# Altium PCB JTAG批量下载板-V1.6-ASCII.PcbDoc (part 10 of 14) (continued)
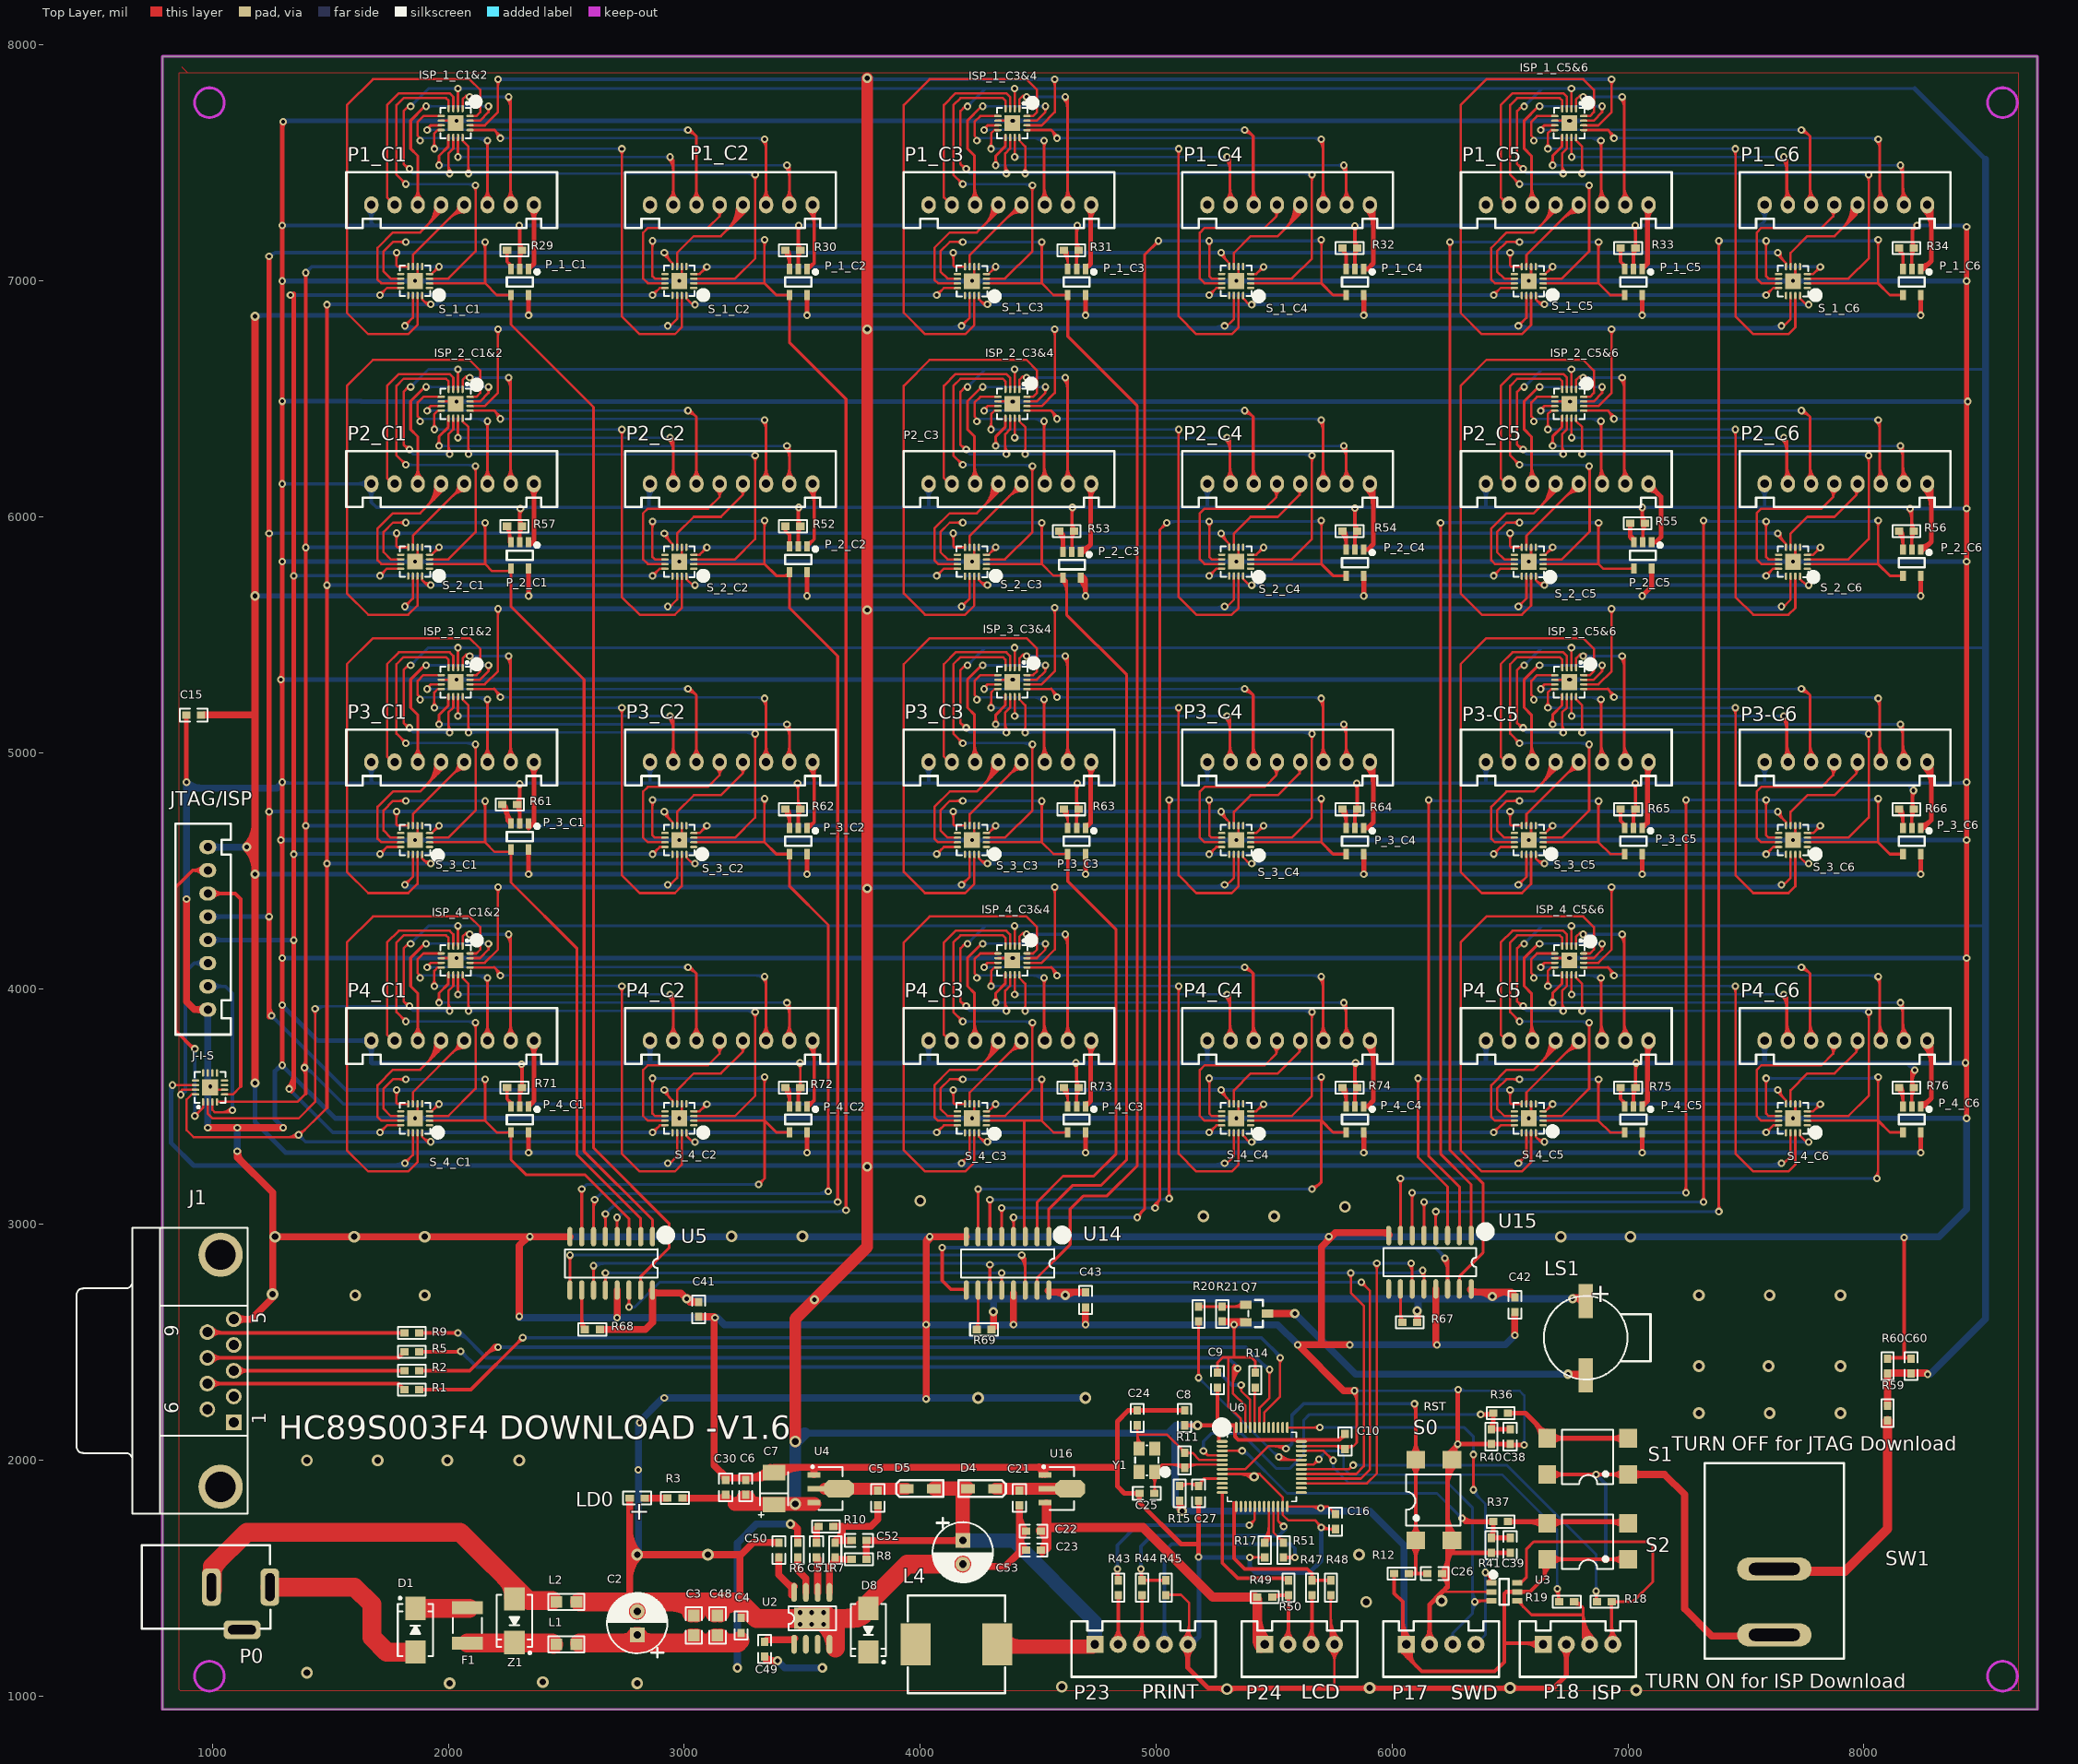
[diagram p0: Top Layer view]
## Nets (pads, with @x,y where several pads share a name; then routed paths per layer and width w, separated by ;. In a path a pad name is that pad's centre, name@x,y a point inside that pad or via, vN(x,y) a via of type N, cw(c..) or ccw(c..) an arc to the next point about the centre after c; other vN are vias at no path point) (continued)
  Bottom Layer w12: v1(5835,1980) 6485,1980 6865,1600 v1(6865,1445) ; v1@5842.07,1972.93 cw(c5859.14,1955.86) 5859.14,1980 ; v1@5842.07,1972.93 cw(c5859.14,1955.86) 5859.14,1980 ; v1@5842.07,1972.93 cw(c5859.14,1955.86) 5859.14,1980 ; v1@5842.07,1972.93 cw(c5859.14,1955.86) 5859.14,1980 ; v1@5842.07,1972.93 cw(c5859.14,1955.86) 5859.14,1980 ; v1@5842.07,1987.07 ccw(c5859.14,2004.14) 5859.14,1980 ; v1@5842.07,1987.07 ccw(c5859.14,2004.14) 5859.14,1980 ; v1@5842.07,1987.07 ccw(c5859.14,2004.14) 5859.14,1980 ; v1@5842.07,1987.07 ccw(c5859.14,2004.14) 5859.14,1980 ; v1@5842.07,1987.07 ccw(c5859.14,2004.14) 5859.14,1980 ; v1@6857.93,1452.07 ccw(c6840.86,1469.14) 6865,1469.14 ; v1@6857.93,1452.07 ccw(c6840.86,1469.14) 6865,1469.14 ; v1@6857.93,1452.07 ccw(c6840.86,1469.14) 6865,1469.14 ; v1@6857.93,1452.07 ccw(c6840.86,1469.14) 6865,1469.14 ; v1@6857.93,1452.07 ccw(c6840.86,1469.14) 6865,1469.14 ; 6865,1469.14 ccw(c6889.14,1469.14) v1@6872.07,1452.07 ; 6865,1469.14 ccw(c6889.14,1469.14) v1@6872.07,1452.07 ; 6865,1469.14 ccw(c6889.14,1469.14) v1@6872.07,1452.07 ; 6865,1469.14 ccw(c6889.14,1469.14) v1@6872.07,1452.07 ; 6865,1469.14 ccw(c6889.14,1469.14) v1@6872.07,1452.07
MCU_TX2: R50.2 U6.12 | length 771.3
  Top Layer w15: U6.12@5280,1860 5280,1565 5345,1500 5551.5,1500 R50.2@5560,1491.5 ; 5524.31,1500 cw(c5524.31,1457.77) R50.2@5554.17,1487.63 ; 5524.31,1500 cw(c5524.31,1457.77) R50.2@5554.17,1487.63 ; 5524.31,1500 cw(c5524.31,1457.77) R50.2@5554.17,1487.63 ; 5524.31,1500 cw(c5524.31,1457.77) R50.2@5554.17,1487.63 ; 5524.31,1500 cw(c5524.31,1457.77) R50.2@5554.17,1487.63
MCU_TX3: R51.2 U6.21 | length 374.7
  Top Layer w10: U6.21@5496.54,1804.41 5496.54,1694.96 R51.2@5540,1651.5 ; 5518.29,1673.2 ccw(c5540,1694.91) R51.2@5540,1664.21 ; 5518.29,1673.2 ccw(c5540,1694.91) R51.2@5540,1664.21 ; 5518.29,1673.2 ccw(c5540,1694.91) R51.2@5540,1664.21 ; 5518.29,1673.2 ccw(c5540,1694.91) R51.2@5540,1664.21 ; 5518.29,1673.2 ccw(c5540,1694.91) R51.2@5540,1664.21 ; 5523.04,1668.45 cw(c5508.06,1653.46) R51.2@5529.25,1653.46 ; 5523.04,1668.45 cw(c5508.06,1653.46) R51.2@5529.25,1653.46 ; 5523.04,1668.45 cw(c5508.06,1653.46) R51.2@5529.25,1653.46 ; 5523.04,1668.45 cw(c5508.06,1653.46) R51.2@5529.25,1653.46 ; 5523.04,1668.45 cw(c5508.06,1653.46) R51.2@5529.25,1653.46
NetC5_1: C5.1 D5.2 U4.2 | length 742.9
  Top Layer w40: U4.2@3587.83,1880 cw(c3587.83,1837.99) U4.2@3617.54,1867.7 ; U4.2@3587.83,1880 ccw(c3587.83,1922.01) U4.2@3617.54,1892.3 ; U4.2@3587.83,1880 cw(c3587.83,1837.99) U4.2@3617.54,1867.7 ; U4.2@3587.83,1880 ccw(c3587.83,1922.01) U4.2@3617.54,1892.3 ; U4.2@3587.83,1880 cw(c3587.83,1837.99) U4.2@3617.54,1867.7 ; U4.2@3587.83,1880 ccw(c3587.83,1922.01) U4.2@3617.54,1892.3 ; U4.2@3693.33,1867.7 cw(c3723.03,1837.99) 3723.03,1880 ; U4.2@3693.33,1867.7 cw(c3723.03,1837.99) 3723.03,1880 ; U4.2@3693.33,1867.7 cw(c3723.03,1837.99) 3723.03,1880 ; U4.2@3693.33,1892.3 ccw(c3723.03,1922.01) 3723.03,1880 ; U4.2@3693.33,1892.3 ccw(c3723.03,1922.01) 3723.03,1880 ; U4.2@3693.33,1892.3 ccw(c3723.03,1922.01) 3723.03,1880
  Top Layer w50: U4.2@3595,1880 D5.2@3941.93,1880
NetC21_1: C21.1 D4.2 U16.2 | length 705.4
  Top Layer w30: 4402.42,1880 cw(c4402.42,1855.88) C21.1@4419.47,1872.94 ; 4402.42,1880 cw(c4402.42,1855.88) C21.1@4419.47,1872.94 ; 4402.42,1880 cw(c4402.42,1855.88) C21.1@4419.47,1872.94 ; C21.1@4420.53,1872.94 cw(c4437.58,1855.88) 4437.58,1880 ; C21.1@4420.53,1872.94 cw(c4437.58,1855.88) 4437.58,1880 ; C21.1@4420.53,1872.94 cw(c4437.58,1855.88) 4437.58,1880 ; U16.2@4555.76,1880 cw(c4555.76,1825.92) U16.2@4594,1864.16 ; U16.2@4555.76,1880 ccw(c4555.76,1934.08) U16.2@4594,1895.84 ; U16.2@4555.76,1880 cw(c4555.76,1825.92) U16.2@4594,1864.16 ; U16.2@4555.76,1880 ccw(c4555.76,1934.08) U16.2@4594,1895.84 ; U16.2@4555.76,1880 cw(c4555.76,1825.92) U16.2@4594,1864.16 ; U16.2@4555.76,1880 ccw(c4555.76,1934.08) U16.2@4594,1895.84
  Top Layer w50: D4.2@4318.07,1880 U16.2@4655,1880
NetC27_1: C27.1 R15.1 U6.9 | length 918.1
  Top Layer w10: R15.1@5100,1900 5180,1900 5202.52,1922.52 ; U6.9@5280,1922.52 5202.52,1922.52 ; R15.1@5100.53,1892.94 cw(c5117.58,1875.88) 5117.58,1900 ; R15.1@5100.53,1892.94 cw(c5117.58,1875.88) 5117.58,1900 ; R15.1@5100.53,1892.94 cw(c5117.58,1875.88) 5117.58,1900 ; R15.1@5100.53,1892.94 cw(c5117.58,1875.88) 5117.58,1900 ; R15.1@5100.53,1892.94 cw(c5117.58,1875.88) 5117.58,1900 ; R15.1@5107.6,1885.86 cw(c5141.73,1851.74) 5141.73,1900 ; R15.1@5107.6,1885.86 cw(c5141.73,1851.74) 5141.73,1900 ; R15.1@5107.6,1885.86 cw(c5141.73,1851.74) 5141.73,1900 ; R15.1@5107.6,1885.86 cw(c5141.73,1851.74) 5141.73,1900 ; R15.1@5107.6,1885.86 cw(c5141.73,1851.74) 5141.73,1900 ; 5138.27,1900 cw(c5138.27,1851.74) C27.1@5172.4,1885.86 ; 5138.27,1900 cw(c5138.27,1851.74) C27.1@5172.4,1885.86 ; 5138.27,1900 cw(c5138.27,1851.74) C27.1@5172.4,1885.86 ; 5138.27,1900 cw(c5138.27,1851.74) C27.1@5172.4,1885.86 ; 5138.27,1900 cw(c5138.27,1851.74) C27.1@5172.4,1885.86 ; 5162.42,1900 cw(c5162.42,1875.88) C27.1@5179.47,1892.94 ; 5162.42,1900 cw(c5162.42,1875.88) C27.1@5179.47,1892.94 ; 5162.42,1900 cw(c5162.42,1875.88) C27.1@5179.47,1892.94 ; 5162.42,1900 cw(c5162.42,1875.88) C27.1@5179.47,1892.94 ; 5162.42,1900 cw(c5162.42,1875.88) C27.1@5179.47,1892.94 ; C27.1@5190.75,1893.6 cw(c5230.94,1894.09) 5202.52,1922.52 ; C27.1@5190.75,1893.6 cw(c5230.94,1894.09) 5202.52,1922.52 ; C27.1@5190.75,1893.6 cw(c5230.94,1894.09) 5202.52,1922.52 ; C27.1@5190.75,1893.6 cw(c5230.94,1894.09) 5202.52,1922.52 ; C27.1@5190.75,1893.6 cw(c5230.94,1894.09) 5202.52,1922.52
NetC49_1: C49.1 D8.2 L4.1 U2.3 | length 632.6
  Top Layer w30: C49.1@3340,1168.5 3341.5,1168.5 3360,1150 ; v3(3395,1150) 3360,1150 ; C49.1@3340.53,1167.06 ccw(c3381.73,1208.26) v3@3381.73,1150 ; C49.1@3340.53,1167.06 ccw(c3381.73,1208.26) v3@3381.73,1150 ; C49.1@3340.53,1167.06 ccw(c3381.73,1208.26) v3@3381.73,1150 ; C49.1@3340.53,1167.06 ccw(c3381.73,1208.26) v3@3381.73,1150 ; C49.1@3340.53,1167.06 ccw(c3381.73,1208.26) v3@3381.73,1150 ; C49.1@3340.74,1166.64 ccw(c3360,1169.46) 3360,1150 ; C49.1@3340.74,1166.64 ccw(c3360,1169.46) 3360,1150 ; C49.1@3340.74,1166.64 ccw(c3360,1169.46) 3360,1150 ; C49.1@3340.74,1166.64 ccw(c3360,1169.46) 3360,1150 ; C49.1@3340.74,1166.64 ccw(c3360,1169.46) 3360,1150
  Bottom Layer w30: v3(3395,1150) 3425,1120 v3(3585,1120)
NetC49_2: C49.2 U2.1 | length 292.1
  Top Layer w30: C49.2@3340,1231.5 3348.5,1240 U2.1@3455,1240 ; C49.2@3340.53,1232.94 cw(c3357.58,1215.88) 3357.58,1240 ; C49.2@3340.53,1232.94 cw(c3357.58,1215.88) 3357.58,1240 ; C49.2@3340.53,1232.94 cw(c3357.58,1215.88) 3357.58,1240 ; C49.2@3340.53,1232.94 cw(c3357.58,1215.88) 3357.58,1240 ; C49.2@3340.53,1232.94 cw(c3357.58,1215.88) 3357.58,1240 ; 3452.93,1240 ccw(c3452.93,1260.07) U2.1@3467.12,1245.88 ; 3452.93,1240 ccw(c3452.93,1260.07) U2.1@3467.12,1245.88 ; 3452.93,1240 ccw(c3452.93,1260.07) U2.1@3467.12,1245.88 ; 3452.93,1240 ccw(c3452.93,1260.07) U2.1@3467.12,1245.88 ; 3452.93,1240 ccw(c3452.93,1260.07) U2.1@3467.12,1245.88
NetC50_1: C50.1 U2.8 | length 325
  Top Layer w30: C50.1@3400,1590 3400,1515 3455,1460 U2.8@3455,1430 ; 3439.39,1475.61 ccw(c3465,1501.21) U2.8@3465,1465 ; 3439.39,1475.61 ccw(c3465,1501.21) U2.8@3465,1465 ; 3439.39,1475.61 ccw(c3465,1501.21) U2.8@3465,1465 ; 3439.39,1475.61 ccw(c3465,1501.21) U2.8@3465,1465 ; 3439.39,1475.61 ccw(c3465,1501.21) U2.8@3465,1465
NetC51_1: C51.1 U2.6 | length 150.6
  Top Layer w30: C51.1@3560,1588.5 3565,1583.5 U2.6@3565,1440
NetC51_2: C51.2 R10.2 | length 168.2
  Top Layer w30: C51.2@3560,1650 3560,1711.5 R10.2@3568.5,1720 ; 3560,1702.42 cw(c3584.12,1702.42) R10.2@3567.06,1719.47 ; 3560,1702.42 cw(c3584.12,1702.42) R10.2@3567.06,1719.47 ; 3560,1702.42 cw(c3584.12,1702.42) R10.2@3567.06,1719.47 ; 3560,1702.42 cw(c3584.12,1702.42) R10.2@3567.06,1719.47 ; 3560,1702.42 cw(c3584.12,1702.42) R10.2@3567.06,1719.47
NetD1_1: D1.1 P0.1 | length 812.8
  Top Layer w80: P0.1@1243.31,1462.83 1602.17,1462.83 1675,1390 1675,1250 1737.52,1187.48 D1.1@1860,1187.48
NetD1_2: D1.2 F1.1 | length 227.5
  Top Layer w80: D1.2@1860,1372.52 F1.1@2087.52,1372.52
NetJ1_3: J1.3 R2.1 | length 1075.4
  Top Layer w15: J1.3@1089.92,2380 R2.1@1813.5,2380 ; 1152.13,2380 cw(c1152.13,2442.21) 1108.14,2398.22 ccw(c1152.13,2442.21) 1152.13,2380 ; 1152.13,2380 ccw(c1152.13,2317.79) 1108.14,2361.78 cw(c1152.13,2317.79) 1152.13,2380 ; 1791.62,2380 cw(c1791.62,2360.09) R2.1@1805.7,2374.17 ; 1791.62,2380 ccw(c1791.62,2399.91) R2.1@1805.7,2385.83 ; 1791.62,2380 cw(c1791.62,2360.09) R2.1@1805.7,2374.17 ; 1791.62,2380 ccw(c1791.62,2399.91) R2.1@1805.7,2385.83 ; 1791.62,2380 cw(c1791.62,2360.09) R2.1@1805.7,2374.17 ; 1791.62,2380 ccw(c1791.62,2399.91) R2.1@1805.7,2385.83 ; 1791.62,2380 cw(c1791.62,2360.09) R2.1@1805.7,2374.17 ; 1791.62,2380 ccw(c1791.62,2399.91) R2.1@1805.7,2385.83 ; 1791.62,2380 cw(c1791.62,2360.09) R2.1@1805.7,2374.17 ; 1791.62,2380 ccw(c1791.62,2399.91) R2.1@1805.7,2385.83
NetJ1_7: J1.7 R1.1 | length 1100.1
  Top Layer w15: J1.7@978.11,2325.47 1788.03,2325.47 R1.1@1813.5,2300 ; J1.7@996.33,2307.25 cw(c1040.32,2263.26) 1040.32,2325.47 cw(c1040.32,2387.68) J1.7@996.33,2343.69 ; 1796.06,2317.44 cw(c1778.62,2300) R1.1@1803.29,2300 ; 1796.06,2317.44 cw(c1778.62,2300) R1.1@1803.29,2300 ; 1796.06,2317.44 cw(c1778.62,2300) R1.1@1803.29,2300 ; 1796.06,2317.44 cw(c1778.62,2300) R1.1@1803.29,2300 ; 1796.06,2317.44 cw(c1778.62,2300) R1.1@1803.29,2300 ; R1.1@1800.82,2312.69 ccw(c1811.54,2323.41) R1.1@1811.54,2308.25 ; R1.1@1800.82,2312.69 ccw(c1811.54,2323.41) R1.1@1811.54,2308.25 ; R1.1@1800.82,2312.69 ccw(c1811.54,2323.41) R1.1@1811.54,2308.25 ; R1.1@1800.82,2312.69 ccw(c1811.54,2323.41) R1.1@1811.54,2308.25 ; R1.1@1800.82,2312.69 ccw(c1811.54,2323.41) R1.1@1811.54,2308.25
NetJ1_8: J1.8 R5.1 | length 1100.1
  Top Layer w15: J1.8@978.11,2434.53 1788.03,2434.53 R5.1@1813.5,2460 ; J1.8@996.33,2416.31 cw(c1040.32,2372.32) 1040.32,2434.53 cw(c1040.32,2496.74) J1.8@996.33,2452.75 ; 1796.06,2442.56 ccw(c1778.62,2460) R5.1@1803.29,2460 ; 1796.06,2442.56 ccw(c1778.62,2460) R5.1@1803.29,2460 ; 1796.06,2442.56 ccw(c1778.62,2460) R5.1@1803.29,2460 ; 1796.06,2442.56 ccw(c1778.62,2460) R5.1@1803.29,2460 ; 1796.06,2442.56 ccw(c1778.62,2460) R5.1@1803.29,2460 ; R5.1@1800.82,2447.31 cw(c1811.54,2436.59) R5.1@1811.54,2451.75 ; R5.1@1800.82,2447.31 cw(c1811.54,2436.59) R5.1@1811.54,2451.75 ; R5.1@1800.82,2447.31 cw(c1811.54,2436.59) R5.1@1811.54,2451.75 ; R5.1@1800.82,2447.31 cw(c1811.54,2436.59) R5.1@1811.54,2451.75 ; R5.1@1800.82,2447.31 cw(c1811.54,2436.59) R5.1@1811.54,2451.75
NetJ1_9: J1.9 R9.1 | length 1127.6
  Top Layer w15: J1.9@970,2540 R9.1@1813.5,2540 ; J1.9@985.72,2551.2 ccw(c1012.75,2578.23) 1012.75,2540 ; J1.9@996.33,2525.36 cw(c1031.67,2490.02) 1031.67,2540 ; J1.9@996.33,2561.8 ccw(c1048.97,2614.44) 1048.97,2540 ; 1791.62,2540 cw(c1791.62,2520.09) R9.1@1805.7,2534.17 ; 1791.62,2540 ccw(c1791.62,2559.91) R9.1@1805.7,2545.83 ; 1791.62,2540 cw(c1791.62,2520.09) R9.1@1805.7,2534.17 ; 1791.62,2540 ccw(c1791.62,2559.91) R9.1@1805.7,2545.83 ; 1791.62,2540 cw(c1791.62,2520.09) R9.1@1805.7,2534.17 ; 1791.62,2540 ccw(c1791.62,2559.91) R9.1@1805.7,2545.83 ; 1791.62,2540 cw(c1791.62,2520.09) R9.1@1805.7,2534.17 ; 1791.62,2540 ccw(c1791.62,2559.91) R9.1@1805.7,2545.83 ; 1791.62,2540 cw(c1791.62,2520.09) R9.1@1805.7,2534.17 ; 1791.62,2540 ccw(c1791.62,2559.91) R9.1@1805.7,2545.83
NetLD0_1: LD0.1 R3.2 | length 97
  Top Layer w30: LD0.1@2831.5,1840 R3.2@2928.5,1840
NetLS1_2: LS1.2 Q7.3 | length 1668.5
  Top Layer w30: Q7.3@5472.43,2622.6 v3(5587.4,2622.6) ; v3(6745,2365) LS1.2@6825,2365 ; 6771.72,2365 cw(c6771.72,2311.72) LS1.2@6809.39,2349.39 ; 6771.72,2365 cw(c6771.72,2311.72) LS1.2@6809.39,2349.39 ; 6771.72,2365 cw(c6771.72,2311.72) LS1.2@6809.39,2349.39 ; 6771.72,2365 cw(c6771.72,2311.72) LS1.2@6809.39,2349.39 ; 6771.72,2365 cw(c6771.72,2311.72) LS1.2@6809.39,2349.39
  Bottom Layer w30: v3(5587.4,2622.6) 5845,2365 v3(6745,2365)
NetP23_2: P23.2 R43.1 | length 1055
  Top Layer w15: P23.2@4838.43,1220 4840,1221.57 R43.1@4840,1428.5 ; P23.2@4818.27,1240.15 ccw(c4765.82,1292.61) 4840,1292.61 ; P23.2@4818.27,1240.15 ccw(c4765.82,1292.61) 4840,1292.61 ; P23.2@4818.27,1240.15 ccw(c4765.82,1292.61) 4840,1292.61 ; P23.2@4818.27,1240.15 ccw(c4765.82,1292.61) 4840,1292.61 ; P23.2@4818.27,1240.15 ccw(c4765.82,1292.61) 4840,1292.61 ; P23.2@4828.88,1229.55 ccw(c4802.03,1256.39) 4840,1256.39 ; P23.2@4828.88,1229.55 ccw(c4802.03,1256.39) 4840,1256.39 ; P23.2@4828.88,1229.55 ccw(c4802.03,1256.39) 4840,1256.39 ; P23.2@4828.88,1229.55 ccw(c4802.03,1256.39) 4840,1256.39 ; P23.2@4828.88,1229.55 ccw(c4802.03,1256.39) 4840,1256.39 ; R43.1@4834.17,1420.7 cw(c4820.09,1406.62) 4840,1406.62 ; R43.1@4834.17,1420.7 cw(c4820.09,1406.62) 4840,1406.62 ; R43.1@4834.17,1420.7 cw(c4820.09,1406.62) 4840,1406.62 ; R43.1@4834.17,1420.7 cw(c4820.09,1406.62) 4840,1406.62 ; R43.1@4834.17,1420.7 cw(c4820.09,1406.62) 4840,1406.62 ; 4840,1285.01 ccw(c4903.43,1285.01) P23.2@4858.58,1240.15 ; 4840,1285.01 ccw(c4903.43,1285.01) P23.2@4858.58,1240.15 ; 4840,1285.01 ccw(c4903.43,1285.01) P23.2@4858.58,1240.15 ; 4840,1285.01 ccw(c4903.43,1285.01) P23.2@4858.58,1240.15 ; 4840,1285.01 ccw(c4903.43,1285.01) P23.2@4858.58,1240.15 ; 4840,1406.62 cw(c4859.91,1406.62) R43.1@4845.83,1420.7 ; 4840,1406.62 cw(c4859.91,1406.62) R43.1@4845.83,1420.7 ; 4840,1406.62 cw(c4859.91,1406.62) R43.1@4845.83,1420.7 ; 4840,1406.62 cw(c4859.91,1406.62) R43.1@4845.83,1420.7 ; 4840,1406.62 cw(c4859.91,1406.62) R43.1@4845.83,1420.7
NetP_1_C1_3: P_1_C1.3 R29.1 | length 184.6
  Top Layer w15: R29.1@2248.5,7130.55 2248.5,7082.05 2265.2,7065.35 P_1_C1.3@2265.2,7050.55 ; 2248.5,7110.64 cw(c2268.42,7110.64) 2254.34,7124.72 ccw(c2268.42,7110.64) 2248.5,7110.64 ; 2248.5,7110.64 ccw(c2228.59,7110.64) 2242.67,7124.72 cw(c2228.59,7110.64) 2248.5,7110.64 ; 2254.33,7076.22 cw(c2238.5,7060.39) 2260.89,7060.39 ccw(c2238.5,7060.39) 2254.33,7076.22
NetP_1_C2_3: P_1_C2.3 R30.1 | length 225.6
  Top Layer w15: R30.1@3424.64,7124.72 cw(c3375.01,7075.09) 3445.2,7075.09 ; R30.1@3428.5,7130.55 3445.2,7113.86 P_1_C2.3@3445.2,7050.55 ; R30.1@3435.25,7135.33 cw(c3411.23,7111.3) 3445.2,7111.3 ; R30.1@3430.47,7122.3 cw(c3430.47,7107.14) 3441.19,7117.86 ccw(c3430.47,7107.14) R30.1@3430.47,7122.3 ; R30.1@3438.69,7129.88 ccw(c3457.69,7128.32) 3444.21,7114.84 cw(c3457.69,7128.32) R30.1@3438.69,7129.88
NetP_1_C3_3: P_1_C3.3 R31.1 | length 318
  Top Layer w10: R31.1@4602.87,7122.95 cw(c4548.98,7069.06) P_1_C3.3@4625.2,7069.06 ; R31.1@4608.5,7130.55 4625.2,7113.86 P_1_C3.3@4625.2,7050.55 ; R31.1@4609.94,7130.02 cw(c4573.12,7093.2) 4625.2,7093.2 ; R31.1@4617.01,7137.09 cw(c4597.26,7117.34) R31.1@4625.2,7117.34 ; R31.1@4624.21,7114.84 cw(c4633.53,7124.16) 4620.83,7127.68 ccw(c4633.53,7124.16) R31.1@4624.21,7114.84 ; R31.1@4624.21,7114.84 ccw(c4612.12,7102.75) 4611.11,7119.82 cw(c4612.12,7102.75) R31.1@4624.21,7114.84 ; 4625.2,7076.84 cw(c4608.75,7076.84) 4620.38,7065.21 ccw(c4608.75,7076.84) 4625.2,7076.84 ; 4625.2,7076.84 ccw(c4641.64,7076.84) 4630.01,7065.21 cw(c4641.64,7076.84) 4625.2,7076.84
NetP_1_C4_3: P_1_C4.3 R32.1 | length 122
  Top Layer w15: R32.1@5788.5,7130.55 5805.2,7113.86 P_1_C4.3@5805.2,7050.55 ; R32.1@5797.53,7135.73 ccw(c5808.82,7128.9) 5799.49,7119.57 cw(c5808.82,7128.9) R32.1@5797.53,7135.73
NetP_1_C5_3: P_1_C5.3 R33.1 | length 184.6
  Top Layer w15: R33.1@6968.5,7130.55 6968.5,7082.05 6985.2,7065.35 P_1_C5.3@6985.2,7050.55 ; 6968.5,7120.09 cw(c6988.42,7120.09) 6974.34,7134.17 ccw(c6988.42,7120.09) 6968.5,7120.09 ; 6968.5,7120.09 ccw(c6948.59,7120.09) 6962.67,7134.17 cw(c6948.59,7120.09) 6968.5,7120.09 ; 6974.33,7076.22 cw(c6958.5,7060.39) 6980.89,7060.39 ccw(c6958.5,7060.39) 6974.33,7076.22
NetP_1_C6_3: P_1_C6.3 R34.1 | length 122
  Top Layer w15: R34.1@8148.5,7130.55 8165.2,7113.86 P_1_C6.3@8165.2,7050.55 ; R34.1@8157.53,7135.73 ccw(c8168.82,7128.9) 8159.49,7119.57 cw(c8168.82,7128.9) R34.1@8157.53,7135.73
NetP_2_C1_3: P_2_C1.3 R57.1 | length 158
  Top Layer w15: R57.1@2244.64,5954.17 cw(c2211.17,5920.7) 2258.5,5920.7 ; P_2_C1.3@2258.5,5891.97 R57.1@2258.5,5960.55 ; 2258.5,5928.38 ccw(c2291.76,5928.38) 2268.25,5904.86 cw(c2291.76,5928.38) 2258.5,5928.38
NetP_2_C2_3: P_2_C2.3 R52.1 | length 172.2
  Top Layer w15: 3428.5,5940.45 cw(c3444.06,5940.45) R52.1@3435.18,5953.23 ; R52.1@3428.5,5960 3428.5,5940.55 ; P_2_C2.3@3445.2,5870 3445.2,5923.86 3428.5,5940.55 ; 3428.5,5940.55 cw(c3447.31,5940.55) 3434.24,5954.07 ccw(c3447.31,5940.55) 3428.5,5940.55 ; 3428.5,5940.55 ccw(c3409.7,5940.55) 3422.77,5954.07 cw(c3409.7,5940.55) 3428.5,5940.55
NetP_2_C3_3: P_2_C3.3 R53.1 | length 223.9
  Top Layer w20: R53.1@4586.41,5935.94 cw(c4541.05,5890.58) 4605.2,5890.58 ; R53.1@4588.5,5940 4605.2,5923.31 P_2_C3.3@4605.2,5851.97 ; R53.1@4589.99,5934.27 cw(c4588.61,5917.74) 4605.2,5917.74 ccw(c4588.61,5917.74) R53.1@4589.99,5934.27 ; R53.1@4596.22,5940 ccw(c4614.85,5940) 4601.68,5926.83 cw(c4614.85,5940) R53.1@4596.22,5940
NetP_2_C4_3: P_2_C4.3 R54.1 | length 227.8
  Top Layer w15: R54.1@5784.64,5934.17 cw(c5735.01,5884.54) 5805.2,5884.54 ; R54.1@5788.5,5940.55 5805.2,5923.86 P_2_C4.3@5805.2,5860.55 ; R54.1@5795.25,5944.77 cw(c5771.23,5920.75) 5805.2,5920.75 ; R54.1@5790.47,5931.75 cw(c5790.47,5915.26) 5802.13,5926.92 ccw(c5790.47,5915.26) R54.1@5790.47,5931.75 ; R54.1@5798.71,5939.58 ccw(c5818.5,5938.58) 5804.49,5924.57 cw(c5818.5,5938.58) R54.1@5798.71,5939.58
NetP_2_C5_3: P_2_C5.3 R55.1 | length 113.9
  Top Layer w20: R55.1@7008.5,5971.97 7008.5,5921.5 ; P_2_C5.3@7025.2,5891.97 7025.2,5904.8 7008.5,5921.5 ; P_2_C5.3@7025.31,5903.62 cw(c7026.41,5921.5) 7008.5,5921.5
NetP_2_C6_3: P_2_C6.3 R56.1 | length 227.8
  Top Layer w15: R56.1@8144.64,5934.17 cw(c8095.01,5884.54) 8165.2,5884.54 ; R56.1@8148.5,5940.55 8165.2,5923.86 P_2_C6.3@8165.2,5860.55 ; R56.1@8155.25,5944.77 cw(c8131.23,5920.75) 8165.2,5920.75 ; R56.1@8150.47,5931.75 cw(c8150.47,5915.26) 8162.13,5926.92 ccw(c8150.47,5915.26) R56.1@8150.47,5931.75 ; R56.1@8158.71,5939.58 ccw(c8178.5,5938.58) 8164.49,5924.57 cw(c8178.5,5938.58) R56.1@8158.71,5939.58
NetP_3_C1_3: P_3_C1.3 R61.1 | length 331.7
  Top Layer w15: R61.1@2224.64,4774.17 cw(c2167.03,4716.56) 2248.5,4716.56 ; R61.1@2235,4775 2248.5,4761.5 2248.5,4712.05 P_3_C1.3@2265.2,4695.35 ; R61.1@2235.25,4784.77 cw(c2203.24,4752.77) 2248.5,4752.77 ; 2248.5,4724.34 ccw(c2279.69,4724.34) P_3_C1.3@2257.64,4702.28 ; 2248.5,4760.55 ccw(c2315.9,4760.55) P_3_C1.3@2268.25,4712.89 ; R61.1@2230.47,4771.75 cw(c2230.47,4752.98) 2243.75,4766.25 ccw(c2230.47,4752.98) R61.1@2230.47,4771.75 ; R61.1@2238.72,4780 ccw(c2259.77,4780) 2244.89,4765.11 cw(c2259.77,4780) R61.1@2238.72,4780
NetP_3_C2_3: P_3_C2.3 R62.1 | length 227.8
  Top Layer w15: R62.1@3424.64,4754.17 cw(c3375.01,4704.54) 3445.2,4704.54 ; R62.1@3428.5,4760.55 3445.2,4743.86 P_3_C2.3@3445.2,4680.55 ; R62.1@3435.25,4764.77 cw(c3411.23,4740.75) 3445.2,4740.75 ; R62.1@3430.47,4751.75 cw(c3430.47,4735.26) 3442.13,4746.92 ccw(c3430.47,4735.26) R62.1@3430.47,4751.75 ; R62.1@3438.71,4759.58 ccw(c3458.5,4758.58) 3444.49,4744.57 cw(c3458.5,4758.58) R62.1@3438.71,4759.58
NetP_3_C3_3: P_3_C3.3 R63.1 | length 317.8
  Top Layer w10: R63.1@4602.87,4752.4 cw(c4548.98,4698.5) P_3_C3.3@4625.2,4698.5 ; R63.1@4608.5,4760.55 4625.2,4743.86 P_3_C3.3@4625.2,4680.55 ; R63.1@4609.94,4759.47 cw(c4573.12,4722.65) 4625.2,4722.65 ; R63.1@4617.01,4766.54 cw(c4597.26,4746.79) R63.1@4625.2,4746.79 ; R63.1@4624.49,4744.57 cw(c4634.09,4754.17) 4620.91,4757.42 ccw(c4634.09,4754.17) R63.1@4624.49,4744.57 ; R63.1@4624.49,4744.57 ccw(c4612.91,4732.99) 4611.44,4749.3 cw(c4612.91,4732.99) R63.1@4624.49,4744.57 ; 4625.2,4706.84 cw(c4608.75,4706.84) 4620.38,4695.21 ccw(c4608.75,4706.84) 4625.2,4706.84 ; 4625.2,4706.84 ccw(c4641.64,4706.84) 4630.01,4695.21 cw(c4641.64,4706.84) 4625.2,4706.84
NetP_3_C4_3: P_3_C4.3 R64.1 | length 227.8
  Top Layer w15: R64.1@5784.64,4754.17 cw(c5735.01,4704.54) 5805.2,4704.54 ; R64.1@5788.5,4760.55 5805.2,4743.86 P_3_C4.3@5805.2,4680.55 ; R64.1@5795.25,4764.77 cw(c5771.23,4740.75) 5805.2,4740.75 ; R64.1@5790.47,4751.75 cw(c5790.47,4735.26) 5802.13,4746.92 ccw(c5790.47,4735.26) R64.1@5790.47,4751.75 ; R64.1@5798.71,4759.58 ccw(c5818.5,4758.58) 5804.49,4744.57 cw(c5818.5,4758.58) R64.1@5798.71,4759.58
NetP_3_C5_3: P_3_C5.3 R65.1 | length 184.6
  Top Layer w15: R65.1@6968.5,4760.55 6968.5,4712.05 6985.2,4695.35 P_3_C5.3@6985.2,4680.55 ; 6968.5,4740.09 cw(c6988.42,4740.09) 6974.34,4754.17 ccw(c6988.42,4740.09) 6968.5,4740.09 ; 6968.5,4740.09 ccw(c6948.59,4740.09) 6962.67,4754.17 cw(c6948.59,4740.09) 6968.5,4740.09 ; 6974.33,4706.22 cw(c6958.5,4690.39) 6980.89,4690.39 ccw(c6958.5,4690.39) 6974.33,4706.22
NetP_3_C6_3: P_3_C6.3 R66.1 | length 227.8
  Top Layer w15: R66.1@8144.64,4754.17 cw(c8095.01,4704.54) 8165.2,4704.54 ; R66.1@8148.5,4760.55 8165.2,4743.86 P_3_C6.3@8165.2,4680.55 ; R66.1@8155.25,4764.77 cw(c8131.23,4740.75) 8165.2,4740.75 ; R66.1@8150.47,4751.75 cw(c8150.47,4735.26) 8162.13,4746.92 ccw(c8150.47,4735.26) R66.1@8150.47,4751.75 ; R66.1@8158.71,4759.58 ccw(c8178.5,4758.58) 8164.49,4744.57 cw(c8178.5,4758.58) R66.1@8158.71,4759.58
NetP_4_C1_3: P_4_C1.3 R71.1 | length 186.7
  Top Layer w15: R71.1@2248.5,3580.55 2248.5,3532.05 2265.2,3515.35 P_4_C1.3@2265.2,3500.55 ; 2248.5,3560.09 cw(c2268.42,3560.09) 2254.34,3574.17 ccw(c2268.42,3560.09) 2248.5,3560.09 ; 2248.5,3560.09 ccw(c2228.59,3560.09) 2242.67,3574.17 cw(c2228.59,3560.09) 2248.5,3560.09 ; 2253.94,3526.61 cw(c2237.17,3509.84) 2260.89,3509.84 ccw(c2237.17,3509.84) 2253.94,3526.61
NetP_4_C2_3: P_4_C2.3 R72.1 | length 227.8
  Top Layer w15: R72.1@3424.64,3574.17 cw(c3375.01,3524.54) 3445.2,3524.54 ; R72.1@3428.5,3580.55 3445.2,3563.86 P_4_C2.3@3445.2,3500.55 ; R72.1@3435.25,3584.77 cw(c3411.23,3560.75) 3445.2,3560.75 ; R72.1@3430.47,3571.75 cw(c3430.47,3555.26) 3442.13,3566.92 ccw(c3430.47,3555.26) R72.1@3430.47,3571.75 ; R72.1@3438.71,3579.58 ccw(c3458.5,3578.58) 3444.49,3564.57 cw(c3458.5,3578.58) R72.1@3438.71,3579.58
NetP_4_C3_3: P_4_C3.3 R73.1 | length 317.8
  Top Layer w10: R73.1@4602.87,3572.4 cw(c4548.98,3518.5) P_4_C3.3@4625.2,3518.5 ; R73.1@4608.5,3580.55 4625.2,3563.86 P_4_C3.3@4625.2,3500.55 ; R73.1@4609.94,3579.47 cw(c4573.12,3542.65) 4625.2,3542.65 ; R73.1@4617.01,3586.54 cw(c4597.26,3566.79) R73.1@4625.2,3566.79 ; R73.1@4624.49,3564.57 cw(c4634.09,3574.17) 4620.91,3577.42 ccw(c4634.09,3574.17) R73.1@4624.49,3564.57 ; R73.1@4624.49,3564.57 ccw(c4612.91,3552.99) 4611.44,3569.3 cw(c4612.91,3552.99) R73.1@4624.49,3564.57 ; 4625.2,3526.84 cw(c4608.75,3526.84) 4620.38,3515.21 ccw(c4608.75,3526.84) 4625.2,3526.84 ; 4625.2,3526.84 ccw(c4641.64,3526.84) 4630.01,3515.21 cw(c4641.64,3526.84) 4625.2,3526.84
NetP_4_C4_3: P_4_C4.3 R74.1 | length 227.8
  Top Layer w15: R74.1@5784.64,3574.17 cw(c5735.01,3524.54) 5805.2,3524.54 ; R74.1@5788.5,3580.55 5805.2,3563.86 P_4_C4.3@5805.2,3500.55 ; R74.1@5795.25,3584.77 cw(c5771.23,3560.75) 5805.2,3560.75 ; R74.1@5790.47,3571.75 cw(c5790.47,3555.26) 5802.13,3566.92 ccw(c5790.47,3555.26) R74.1@5790.47,3571.75 ; R74.1@5798.71,3579.58 ccw(c5818.5,3578.58) 5804.49,3564.57 cw(c5818.5,3578.58) R74.1@5798.71,3579.58
NetP_4_C5_3: P_4_C5.3 R75.1 | length 184.6
  Top Layer w15: R75.1@6968.5,3580.55 6968.5,3532.05 6985.2,3515.35 P_4_C5.3@6985.2,3500.55 ; 6968.5,3560.09 cw(c6988.42,3560.09) 6974.34,3574.17 ccw(c6988.42,3560.09) 6968.5,3560.09 ; 6968.5,3560.09 ccw(c6948.59,3560.09) 6962.67,3574.17 cw(c6948.59,3560.09) 6968.5,3560.09 ; 6974.33,3526.22 cw(c6958.5,3510.39) 6980.89,3510.39 ccw(c6958.5,3510.39) 6974.33,3526.22
NetP_4_C6_3: P_4_C6.3 R76.1 | length 227.8
  Top Layer w15: R76.1@8144.64,3574.17 cw(c8095.01,3524.54) 8165.2,3524.54 ; R76.1@8148.5,3580.55 8165.2,3563.86 P_4_C6.3@8165.2,3500.55 ; R76.1@8155.25,3584.77 cw(c8131.23,3560.75) 8165.2,3560.75 ; R76.1@8150.47,3571.75 cw(c8150.47,3555.26) 8162.13,3566.92 ccw(c8150.47,3555.26) R76.1@8150.47,3571.75 ; R76.1@8158.71,3579.58 ccw(c8178.5,3578.58) 8164.49,3564.57 cw(c8178.5,3578.58) R76.1@8158.71,3579.58
NetQ7_1: Q7.1 R20.2 R21.2 | length 1087.8
  Top Layer w12: R20.2@5180,2651.5 Q7.1@5371.5,2651.5 ; R20.2@5186.89,2644.6 cw(c5203.53,2627.96) 5203.53,2651.5 ; R20.2@5186.89,2644.6 cw(c5203.53,2627.96) 5203.53,2651.5 ; R20.2@5186.89,2644.6 cw(c5203.53,2627.96) 5203.53,2651.5 ; R20.2@5186.89,2644.6 cw(c5203.53,2627.96) 5203.53,2651.5 ; R20.2@5186.89,2644.6 cw(c5203.53,2627.96) 5203.53,2651.5 ; R20.2@5186.89,2658.39 ccw(c5203.53,2675.03) 5203.53,2651.5 ; R20.2@5186.89,2658.39 ccw(c5203.53,2675.03) 5203.53,2651.5 ; R20.2@5186.89,2658.39 ccw(c5203.53,2675.03) 5203.53,2651.5 ; R20.2@5186.89,2658.39 ccw(c5203.53,2675.03) 5203.53,2651.5 ; R20.2@5186.89,2658.39 ccw(c5203.53,2675.03) 5203.53,2651.5 ; 5256.47,2651.5 cw(c5256.47,2627.96) R21.2@5273.11,2644.6 ; 5256.47,2651.5 ccw(c5256.47,2675.03) R21.2@5273.11,2658.39 ; 5256.47,2651.5 cw(c5256.47,2627.96) R21.2@5273.11,2644.6 ; 5256.47,2651.5 ccw(c5256.47,2675.03) R21.2@5273.11,2658.39 ; 5256.47,2651.5 cw(c5256.47,2627.96) R21.2@5273.11,2644.6 ; 5256.47,2651.5 ccw(c5256.47,2675.03) R21.2@5273.11,2658.39 ; 5256.47,2651.5 cw(c5256.47,2627.96) R21.2@5273.11,2644.6 ; 5256.47,2651.5 ccw(c5256.47,2675.03) R21.2@5273.11,2658.39 ; 5256.47,2651.5 cw(c5256.47,2627.96) R21.2@5273.11,2644.6 ; 5256.47,2651.5 ccw(c5256.47,2675.03) R21.2@5273.11,2658.39 ; R21.2@5286.89,2644.6 cw(c5303.53,2627.96) 5303.53,2651.5 ; R21.2@5286.89,2644.6 cw(c5303.53,2627.96) 5303.53,2651.5 ; R21.2@5286.89,2644.6 cw(c5303.53,2627.96) 5303.53,2651.5 ; R21.2@5286.89,2644.6 cw(c5303.53,2627.96) 5303.53,2651.5 ; R21.2@5286.89,2644.6 cw(c5303.53,2627.96) 5303.53,2651.5 ; R21.2@5286.89,2658.39 ccw(c5303.53,2675.03) 5303.53,2651.5 ; R21.2@5286.89,2658.39 ccw(c5303.53,2675.03) 5303.53,2651.5 ; R21.2@5286.89,2658.39 ccw(c5303.53,2675.03) 5303.53,2651.5 ; R21.2@5286.89,2658.39 ccw(c5303.53,2675.03) 5303.53,2651.5 ; R21.2@5286.89,2658.39 ccw(c5303.53,2675.03) 5303.53,2651.5 ; 5323.89,2651.5 ccw(c5323.89,2709.5) Q7.1@5364.91,2668.49 ; 5323.89,2651.5 ccw(c5323.89,2709.5) Q7.1@5364.91,2668.49 ; 5323.89,2651.5 ccw(c5323.89,2709.5) Q7.1@5364.91,2668.49 ; 5323.89,2651.5 ccw(c5323.89,2709.5) Q7.1@5364.91,2668.49 ; 5323.89,2651.5 ccw(c5323.89,2709.5) Q7.1@5364.91,2668.49 ; 5352.86,2651.5 ccw(c5352.86,2680.53) Q7.1@5373.39,2660 ; 5352.86,2651.5 ccw(c5352.86,2680.53) Q7.1@5373.39,2660 ; 5352.86,2651.5 ccw(c5352.86,2680.53) Q7.1@5373.39,2660 ; 5352.86,2651.5 ccw(c5352.86,2680.53) Q7.1@5373.39,2660 ; 5352.86,2651.5 ccw(c5352.86,2680.53) Q7.1@5373.39,2660
NetR6_1: R6.1 U2.7 | length 163
  Top Layer w30: R6.1@3480,1588.5 3480,1535 3515,1500 U2.7@3515,1440